# Allegro board RK_NVR_DEMO1_RK3588_LP4XD200P232SD8_V21_20211228_final_lint.brd (continued)
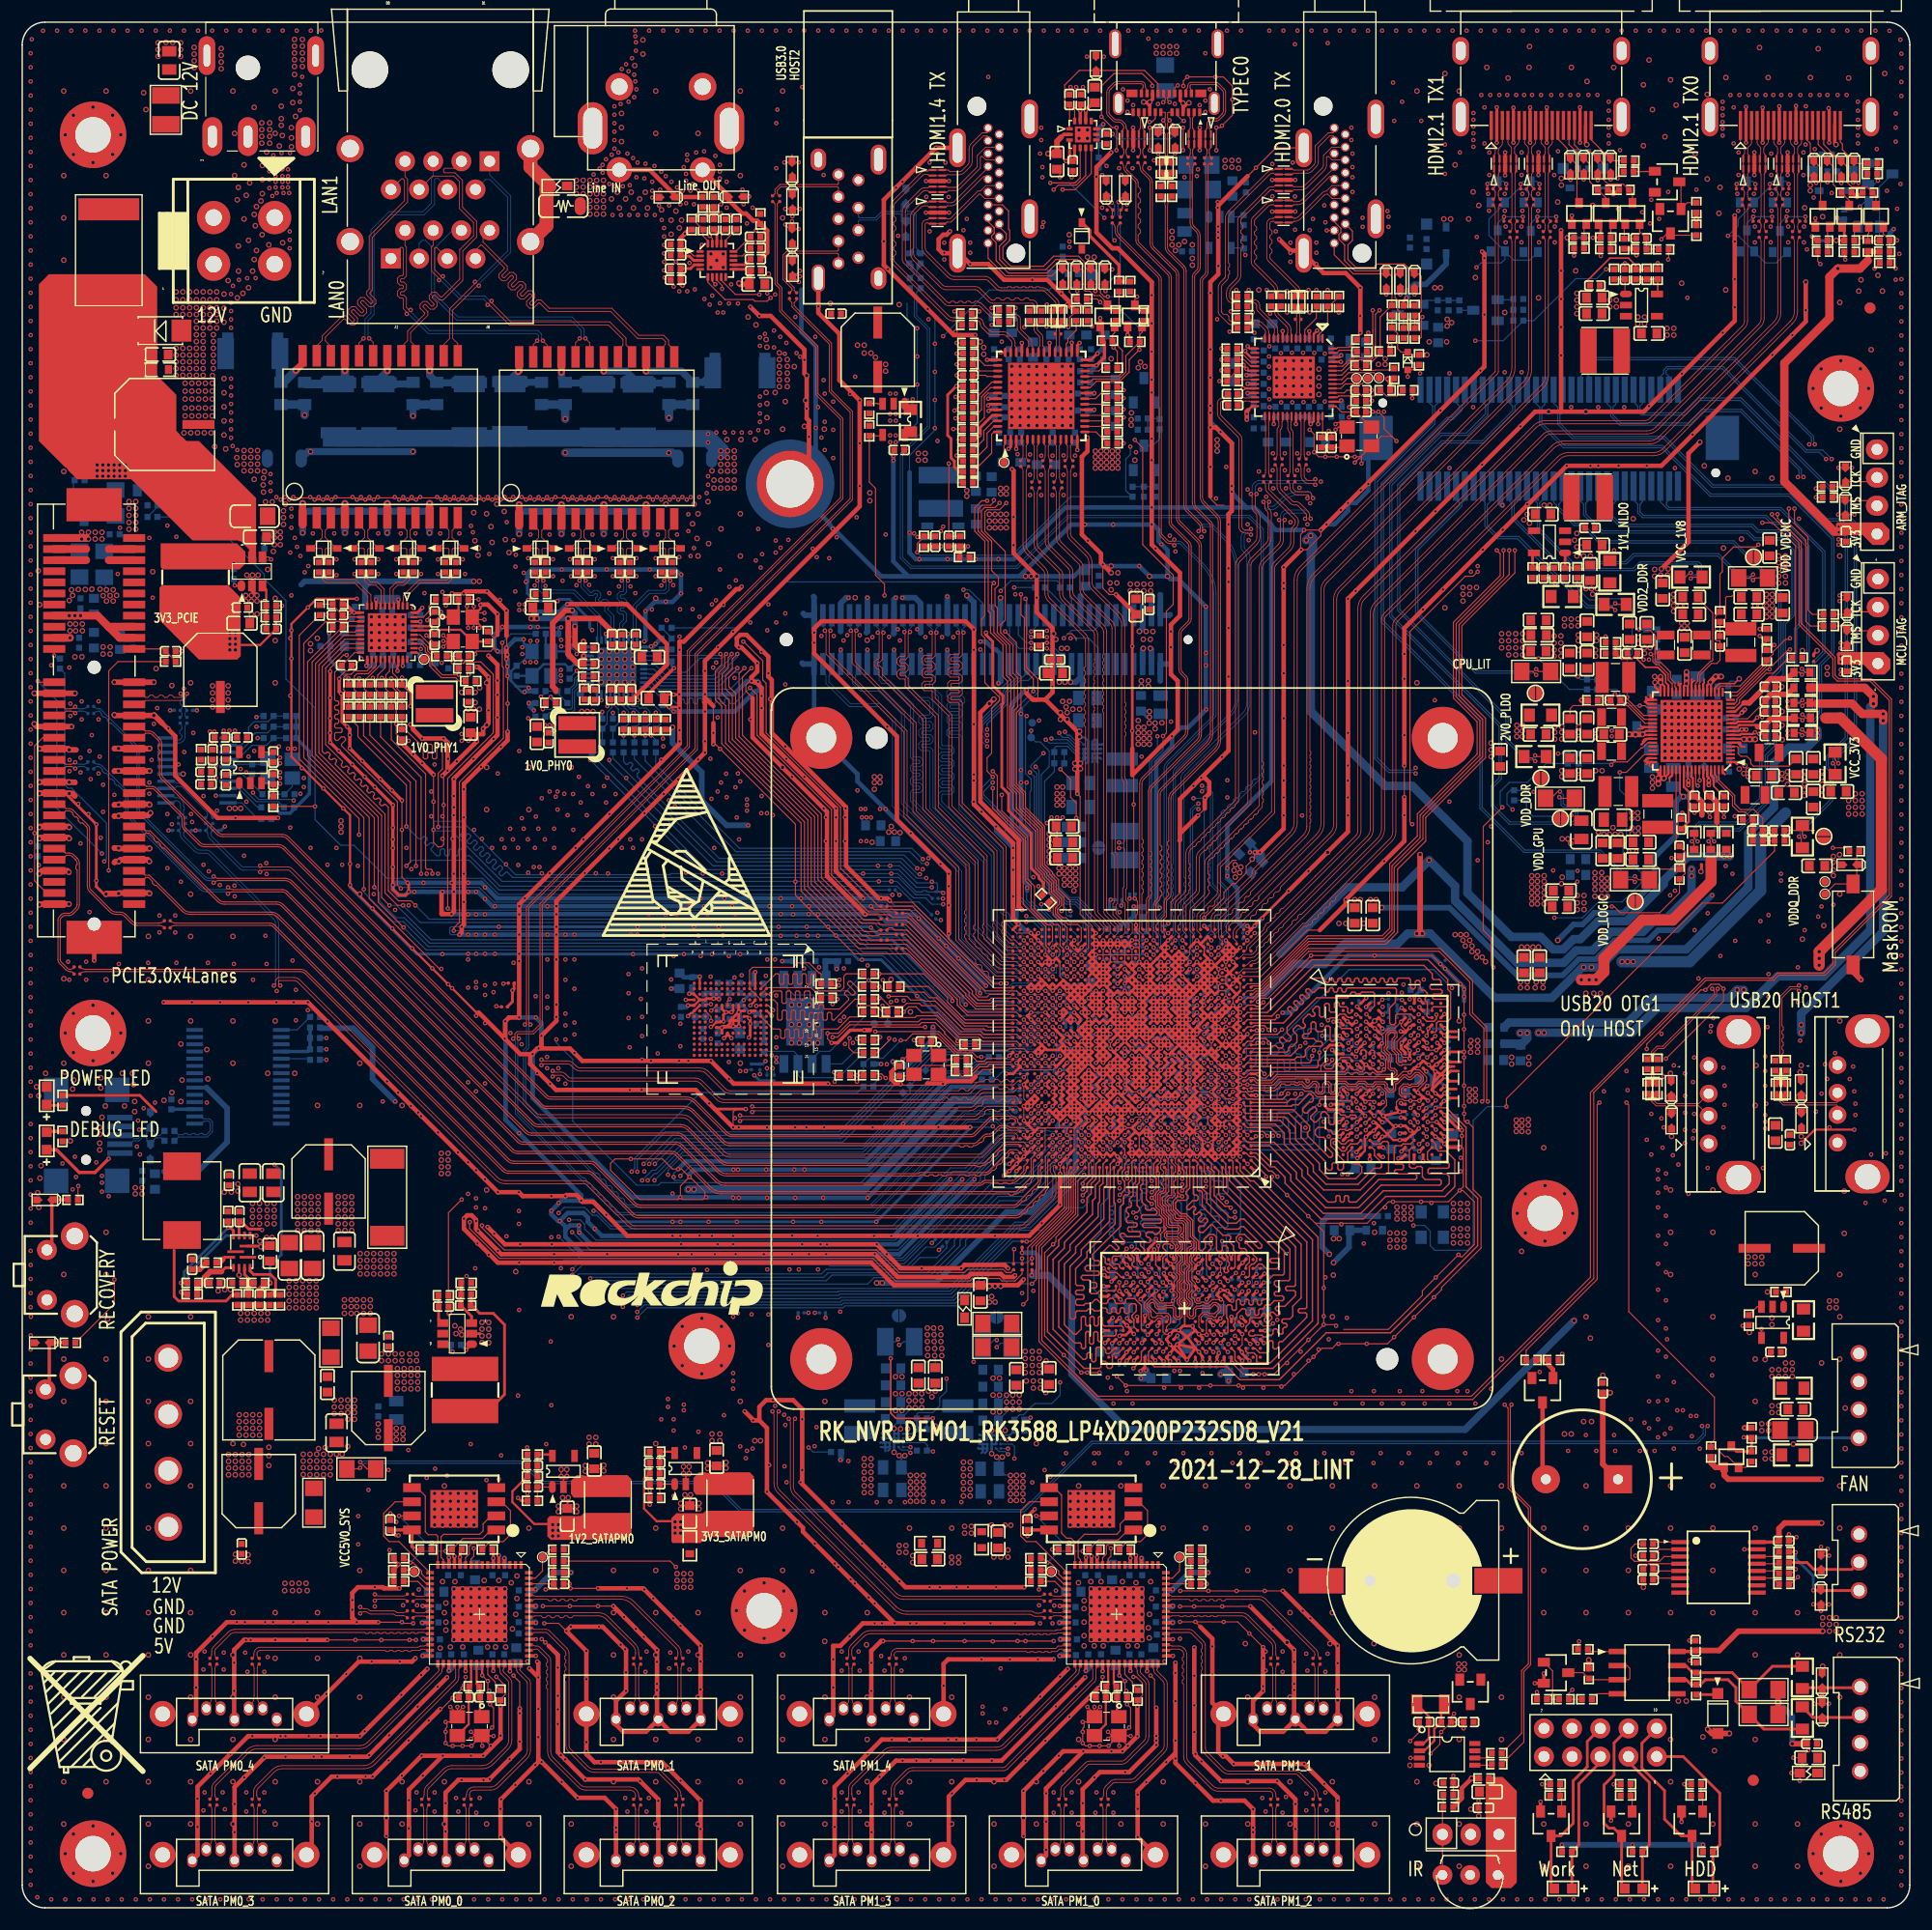
[diagram p0: board, top side]
## Placement (name value [footprint] x y rotation side)
BP7000  BEEP  [BEEP_650]  143.79 38.63 180 top
C1000  22uF  [C0603]  110.13 95.5 45 bottom
C1001  100nF  [C0201]  102.08 82.67 90 bottom
C1002  100nF  [C0201]  103.05 82.67 90 bottom
C1003  22uF  [C0603]  138.66 91.69 0 bottom
C1004  10uF  [C0402_BGA]  103.57 80.86 0 bottom
C1005  10uF  [C0402_BGA]  101.19 79.75 270 bottom
C1006  1uF  [C0201]  101.3 81.02 180 bottom
C1007  4.7uF  [C0402_BGA]  101.27 82.26 90 bottom
C1010  100nF  [C0201]  99.35 75.28 180 bottom
C1013  1uF  [C0201]  100.39 77.44 90 bottom
C1014  1uF  [C0201]  101.31 75.29 0 bottom
C1015  4.7uF  [C0402_BGA]  99.91 73.91 270 bottom
C1016  10uF  [C0402_BGA]  101.19 77.12 90 bottom
C1017  10uF  [C0402_BGA]  98.09 75.19 90 bottom
C1018  22uF  [C0603]  92.5 47.87 270 bottom
C1019  22uF  [C0603]  89.58 47.79 270 top
C1020  1uF  [C0201]  103.91 82.44 0 bottom
C1022  100nF  [C0201]  101.31 75.91 0 bottom
C1023  1uF  [C0201]  99.35 75.91 180 bottom
C1024  100nF  [C0201]  95.25 72.26 270 bottom
C1025  100nF  [C0201]  95.44 74.62 180 bottom
C1027  1uF  [C0201]  95.44 74.01 180 bottom
C1028  1uF  [C0201]  95.44 75.23 180 bottom
C1029  4.7uF  [C0402_BGA]  96.82 74.54 90 bottom
C1030  10uF  [C0402_BGA]  96.36 72.25 0 bottom
C1031  10uF  [C0402_BGA]  95.78 76.37 45 bottom
C1032  22uF  [C0603]  82.27 48 270 top
C1033  22uF  [C0603]  82.27 48 270 bottom
C1034  22uF  [C0603]  140.18 93.11 180 bottom
C1035  22uF  [C0603]  140.18 94.53 180 bottom
C1036  10uF  [C0402_BGA]  100 79.75 270 bottom
C1037  10uF  [C0402_BGA]  98.37 82.52 180 bottom
C1038  4.7uF  [C0402_BGA]  97.99 72.26 180 bottom
C1039  1uF  [C0201]  99.11 72.94 90 bottom
C1040  100nF  [C0201]  100.02 82.4 0 bottom
C1041  100nF  [C0201]  100.01 83.02 0 bottom
C1042  1uF  [C0201]  99.97 78.5 180 bottom
C1043  10uF  [C0402_BGA]  104.26 78.68 0 bottom
C1045  22uF  [C0603]  136.73 84.98 90 top
C1046  22uF  [C0603]  135.3 84.98 90 top
C1047  10uF  [C0402_BGA]  104.17 77.49 0 bottom
C1048  1uF  [C0201]  101.92 78.76 90 bottom
C1049  100nF  [C0201]  103.14 78.76 90 bottom
C1050  100nF  [C0201]  102.53 78.76 90 bottom
C1051  1uF  [C0201]  98.05 73.81 0 bottom
C1052  1uF  [C0201]  102.18 76.17 270 bottom
C1054  100nF  [C0201]  97.41 78.35 0 bottom
C1057  4.7uF  [C0402_BGA]  95.81 78.64 180 bottom
C1058  10uF  [C0402_BGA]  97.15 80.13 180 bottom
C1059  10uF  [C0402_BGA]  97.48 76.83 0 bottom
C1060  22uF  [C0603]  76.68 97.58 180 bottom
C1061  22uF  [C0603]  78 96.16 180 bottom
C1062  22uF  [C0603]  93.95 94.63 180 top
C1063  22uF  [C0603]  93.85 97.48 180 top
C1064  22uF  [C0603]  96.27 84.16 90 bottom
C1065  10uF  [C0402_BGA]  94.77 83.18 180 bottom
C1066  1uF  [C0201]  98.05 80.95 0 bottom
C1069  100nF  [C0201]  95.46 81.78 180 bottom
C1070  100nF  [C0201]  97.41 77.73 0 bottom
C1071  1uF  [C0201]  98.27 80.05 90 bottom
C1072  1uF  [C0201]  96.09 82.42 180 bottom
C1073  100nF  [C0201]  96.09 81.15 180 bottom
C1080  22uF  [C0603]  92.53 47.87 270 top
C1081  22uF  [C0603]  80.74 48 270 top
C1082  22uF  [C0603]  136.62 116.07 0 top
C1083  100nF  [C0201]  98.04 73.19 0 bottom
C1085  22uF  [C0603]  111.22 93.82 45 bottom
C1086  22uF  [C0603]  93.95 96.05 180 top
C1100  100nF  [C0201]  89.84 73.91 90 bottom
C1101  18pF  [C0402]  81.46 78.1 180 top
C1102  18pF  [C0402]  79.04 75.43 90 top
C1103  1uF  [C0201]  94.16 73.78 0 bottom
C1104  100nF  [C0201]  151.56 94.02 180 top
C1105  1uF  [C0201]  161.41 112.62 90 top
C1106  100nF  [C0201]  98.75 78.63 135 bottom
C1107  100nF  [C0201]  91.96 75.54 135 bottom
C1109  100nF  [C0201]  98.85 76.95 225 bottom
C1110  100nF  [C0201]  93.32 76.27 135 bottom
C1111  1uF  [C0201]  92.81 75.57 135 bottom
C1112  100nF  [C0201]  94.64 76.65 45 bottom
C1113  100nF  [C0201]  94.15 75.51 0 bottom
C1200  10uF  [C0402_BGA]  107.09 76.77 0 bottom
C1201  1uF  [C0201]  103.02 71.62 270 bottom
C1202  1uF  [C0201]  104.24 71.62 270 bottom
C1203  100nF  [C0201]  104.87 71.62 270 bottom
C1204  100nF  [C0201]  103.63 71.62 270 bottom
C1205  100nF  [C0201]  105.84 72.53 0 bottom
C1206  1uF  [C0201]  104.98 72.86 90 bottom
C1207  10uF  [C0402_BGA]  106.13 73.47 0 bottom
C1208  1uF  [C0201]  105.84 75.26 0 bottom
C1209  1uF  [C0201]  105.59 70.98 270 bottom
C1210  100nF  [C0201]  105.84 75.86 0 bottom
C1211  100nF  [C0201]  106.19 70.97 270 bottom
C1212  100nF  [C0201]  105.83 71.93 0 bottom
C1213  1uF  [C0201]  101.95 73.81 180 bottom
C1214  1uF  [C0201]  100 72.03 180 bottom
C1215  1uF  [C0201]  101.04 73.54 90 bottom
C1216  1uF  [C0201]  105.87 74.6 180 bottom
C1217  1uF  [C0201]  102.61 74.49 180 bottom
C1218  1uF  [C0201]  103.92 74.61 0 bottom
C1219  1uF  [C0201]  103.25 70.73 0 bottom
C1220  10uF  [C0402_BGA]  103.91 75.8 270 bottom
C1221  4.7uF  [C0402_BGA]  101.9 71.49 270 bottom
C1223  100nF  [C0201]  103.02 76.17 90 bottom
C1224  1uF  [C0201]  101.95 72.61 180 bottom
C1225  100nF  [C0201]  102.61 75.1 180 bottom
C1226  10uF  [C0402_BGA]  105.56 77.16 90 bottom
C1227  4.7uF  [C0402_BGA]  103.62 73.56 0 bottom
C1228  1uF  [C0201]  100 72.67 180 bottom
C1229  100nF  [C0201]  104.66 76.16 270 bottom
C1231  100nF  [C0201]  101.95 73.21 180 bottom
C1232  10uF  [C0603]  118.92 61.08 180 bottom
C1300  1uF  [C0402_BGA]  93.72 77.28 315 bottom
C1301  100nF  [C0201]  107.15 79.41 0 bottom
C1302  100nF  [C0201]  107.15 78.76 0 bottom
C1404  100nF  [C0201]  101.95 85.5 180 bottom
C1405  1uF  [C0201]  101.95 84.9 180 bottom
C1406  100nF  [C0201]  101.95 83.69 180 bottom
C1407  1uF  [C0201]  101.95 84.29 180 bottom
C1408  100nF  [C0201]  111.86 128.8 90 top
C1409  100nF  [C0201]  112.49 128.8 90 top
C1410  100nF  [C0201]  112.89 130.34 90 top
C1411  100nF  [C0201]  113.52 130.34 90 top
C1412  100nF  [C0201]  105.06 83.97 270 bottom
C1413  100nF  [C0201]  114.05 128.83 90 top
C1414  100nF  [C0201]  114.68 128.83 90 top
C1415  100nF  [C0201]  115.05 130.34 90 top
C1416  100nF  [C0201]  115.69 130.34 90 top
C1417  1uF  [C0201]  105.2 83.09 0 bottom
C1418  100nF  [C0201]  103.91 83.09 180 bottom
C1419  100nF  [C0201]  103.91 85.6 0 bottom
C1420  1uF  [C0201]  103.91 84.98 0 bottom
C1421  100nF  [C0201]  105.01 85.91 90 bottom
C1422  100nF  [C0201]  103.91 84.32 0 bottom
C1423  1uF  [C0201]  103.88 83.72 0 bottom
C1500  1nF  [C0201]  100.65 87.24 180 bottom
C1501  1nF  [C0201]  100.65 86.61 180 bottom
C1502  1nF  [C0201]  100.65 86 180 bottom
C1503  100nF  [C0201]  98.22 85.46 180 bottom
C1504  100nF  [C0201]  110.16 81.78 270 bottom
C1505  100nF  [C0201]  98.7 70.31 0 bottom
C1506  100nF  [C0201]  94.28 79.39 180 bottom
C1600  1uF  [C0201]  94.14 80.66 180 bottom
C1601  100nF  [C0201]  95.26 80.26 315 bottom
C1602  1uF  [C0201]  94.14 80.02 180 bottom
C1603  100nF  [C0201]  95.43 79.39 0 bottom
C1604  1uF  [C0201]  128.39 85.59 225 bottom
C1606  100nF  [C0201]  98.05 83.53 180 bottom
C1607  1uF  [C0201]  98.22 90.16 180 bottom
C1608  100nF  [C0201]  98.05 84.17 180 bottom
C1609  1uF  [C0201]  100.05 91.38 0 bottom
C1610  100nF  [C0201]  98.05 84.8 180 bottom
C1611  1uF  [C0201]  98.83 90.87 180 bottom
C1700  220nF  [C0201]  158.01 153.76 90 top
C1701  220nF  [C0201]  158.64 153.76 90 top
C1702  220nF  [C0201]  156.5 150.84 90 top
C1703  220nF  [C0201]  157.13 150.84 90 top
C1704  220nF  [C0201]  155 153.76 90 top
C1705  220nF  [C0201]  155.63 153.76 90 top
C1706  220nF  [C0201]  159.51 150.84 90 top
C1707  220nF  [C0201]  160.14 150.84 90 top
C1709  4.7uF  [C0402_BGA]  105.53 79.57 180 bottom
C1710  4.7uF  [C0603]  120.06 89.45 90 top
C1711  1uF  [C0201]  105.2 80.71 180 bottom
C1713  1uF  [C0201]  108.44 81.57 0 bottom
C1714  100nF  [C0201]  106.88 80.73 270 bottom
C1715  4.7uF  [C0402_BGA]  108.1 80.76 0 bottom
C1716  220nF  [C0201]  135.55 153.76 90 top
C1717  220nF  [C0201]  136.18 153.76 90 top
C1718  220nF  [C0201]  134.05 150.84 90 top
C1719  220nF  [C0201]  134.68 150.84 90 top
C1720  220nF  [C0201]  132.55 153.76 90 top
C1721  220nF  [C0201]  133.18 153.76 90 top
C1722  220nF  [C0201]  137.05 150.84 90 top
C1723  220nF  [C0201]  137.68 150.84 90 top
C1724  100nF  [C0201]  105.2 81.34 180 bottom
C1725  1uF  [C0201]  105.2 81.96 180 bottom
C1726  4.7uF  [C0603]  121.69 89.45 90 top
C1727  1uF  [C0201]  106.24 80.74 90 bottom
C1729  1uF  [C0201]  106.72 82.51 180 bottom
C1730  100nF  [C0201]  107.68 82.66 90 bottom
C1731  4.7uF  [C0402_BGA]  108.54 83.15 90 bottom
C1801  10uF  [C0402_BGA]  89.48 72.28 270 bottom
C1803  4.7uF  [C0402_BGA]  94.05 72.89 0 bottom
C1804  1uF  [C0201]  94.8 69.34 180 bottom
C1805  4.7uF  [C0402_BGA]  94.58 67.52 225 bottom
C1806  1uF  [C0201]  99.54 88.18 270 bottom
C1807  4.7uF  [C0402_BGA]  97.08 69.72 0 bottom
C1808  100nF  [C0201]  90.57 72.84 270 bottom
C1810  100nF  [C0201]  94.15 72.03 0 bottom
C1812  1uF  [C0201]  95.49 71.01 135 bottom
C1813  4.7uF  [C0402_BGA]  94.52 70.27 180 bottom
C1814  100nF  [C0201]  96.75 70.55 0 bottom
C1815  4.7uF  [C0402_BGA]  99.72 85.16 0 bottom
C1816  1uF  [C0201]  92.58 71.65 270 bottom
C1819  4.7uF  [C0402_BGA]  93.29 70.93 270 bottom
C1901  100nF  [C0201]  93.37 78.88 135 bottom
C1902  100nF  [C0201]  94.59 82.02 90 bottom
C1903  100nF  [C0201]  98.7 70.96 0 bottom
C1905  100nF  [C0201]  93.97 82.02 90 bottom
C2000  100uF  [E_E7]  12.83 133.72 0 top
C2001  100nF  [C0603]  12.45 140.02 0 top
C2002  120uF  [E_C6]  21.31 37.56 0 top
C2003  100nF  [C0402]  19.78 32.35 270 top
C2004  2.2uF  [C0805]  13.25 166.54 90 top
C2005  100uF  [E_E7]  22.22 46.68 270 top
C2006  100nF  [C0603]  27.51 47.19 270 top
C2007  10uF  [C1206]  24.07 58.8 90 top
C2008  220nF  [C0402]  15.31 58.01 90 top
C2009  10uF  [C1206]  26.16 58.8 90 top
C2010  100nF  [C0603]  22.32 59 90 top
C2011  120uF  [E_C6]  27.61 65.47 180 top
C2012  22uF  [C0805]  22.62 65.36 270 top
C2013  22uF  [C0805]  20.51 65.36 270 top
C2014  100nF  [C0402]  18.63 65.58 270 top
C2015  22uF  [C0805]  29.04 59.19 90 top
C2017  100nF  [C0402]  19.58 62.32 90 top
C2019  1uF  [C0402]  17.35 56.33 0 top
C2020  10uF  [C0603]  137.03 125.62 0 top
C2021  100pF  [C0402]  137.07 120.34 90 top
C2022  22uF  [C0603]  141.66 122.85 180 top
C2023  100nF  [C0402]  141.26 124.39 180 top
C2024  10uF  [C0603]  141.28 120.34 90 top
C2025  100nF  [C0402]  139.02 120.34 270 top
C2026  DNP  [C0402]  21.41 54.81 90 top
C2027  10uF  [C1206]  31.16 51.35 270 top
C2028  100nF  [C0402]  32.99 51.05 270 top
C2029  100nF  [C0402]  39.09 50.74 180 bottom
C2030  100nF  [C0402]  37.97 54.2 0 top
C2031  22pF  [C0402]  40 55.31 180 top
C2032  120uF  [E_C6]  32.99 45.05 0 top
C2033  22uF  [C0805]  33.7 44.85 90 bottom
C2034  100nF  [C0402]  32.08 44.75 90 bottom
C2035  22uF  [C0805]  28.32 42.82 90 top
C2100  22uF  [C0603]  140.99 115.27 270 top
C2101  100pF  [C0402]  146.35 114.79 270 bottom
C2102  22uF  [C0603]  138.66 91.69 0 top
C2103  10uF  [C0603]  146.17 106.52 0 bottom
C2104  10uF  [C0603]  143.2 105.78 180 top
C2105  22uF  [C0805]  150.93 110.17 270 bottom
C2106  22uF  [C0603]  146.38 115.03 270 top
C2107  10uF  [C0603]  144.83 115.03 270 top
C2108  1uF  [C0402]  134.43 100.29 90 bottom
C2109  47uF  [C0805]  143.33 98.09 0 top
C2110  47uF  [C0805]  140.49 97.17 270 top
C2111  22uF  [C0603]  138.55 90.26 0 top
C2114  22uF  [C0805]  147.04 108.86 270 bottom
C2115  22uF  [C0603]  133.17 103.57 90 top
C2116  22uF  [C0603]  139.47 102.94 270 top
C2117  10uF  [C0603]  140.99 102.94 270 top
C2118  1uF  [C0402]  140.24 103.6 270 bottom
C2119  1uF  [C0402]  140.99 110.28 270 bottom
C2120  22uF  [C0603]  139.44 112.41 90 top
C2121  22uF  [C0603]  140.99 112.41 90 top
C2122  22uF  [C0603]  136.61 113.26 0 top
C2123  22uF  [C0603]  136.63 114.72 0 top
C2126  10uF  [C0603]  149.78 113.83 90 top
C2127  22uF  [C0805]  148.77 101.9 90 bottom
C2128  22uF  [C0603]  161.72 93.92 0 top
C2129  22uF  [C0603]  158.98 100.53 0 top
C2130  10uF  [C0603]  161.39 99.92 90 top
C2131  1uF  [C0402]  158.34 97.12 180 top
C2132  1uF  [C0402]  149.32 95.24 90 top
C2133  22uF  [C0603]  145.84 96.05 180 top
C2134  22uF  [C0603]  145.84 94.51 180 top
C2135  22uF  [C0603]  143.75 95.29 90 top
C2136  22uF  [C0603]  142.42 95.29 90 top
C2137  100pF  [C0402]  156.39 97.12 180 top
C2138  10uF  [C0603]  154.35 104.51 180 bottom
C2139  22uF  [C0805]  146.78 103.6 90 bottom
C2140  10uF  [C0603]  163.65 100.63 180 top
C2141  22uF  [C0603]  161.39 102.86 270 top
C2142  10uF  [C0603]  159.84 102.86 270 top
C2143  1uF  [C0402]  152.97 114.19 270 top
C2144  22uF  [C0603]  155.6 116.6 0 top
C2145  22uF  [C0603]  155.6 118.15 0 top
C2146  22uF  [C0603]  158.62 117.41 270 top
C2147  10uF  [C0603]  149.07 110.05 270 bottom
C2148  10uF  [C0603]  156.94 102.05 0 top
C2149  10uF  [C0603]  147.82 118.72 270 top
C2150  22uF  [C0603]  150.32 116.6 180 top
C2151  10uF  [C0603]  150.32 118.15 180 top
C2152  22uF  [C0603]  139.47 106.49 270 top
C2153  10uF  [C0603]  140.99 106.49 270 top
C2154  10uF  [C0603]  136.61 105.78 0 top
C2155  1uF  [C0402]  150.68 99.74 270 top
C2156  1uF  [C0402]  150.14 102.61 90 bottom
C2157  1uF  [C0402]  149.49 97.71 90 top
C2158  1uF  [C0402]  153.72 109.67 270 bottom
C2159  1uF  [C0402]  150.65 99.71 270 bottom
C2160  1uF  [C0402]  152.02 99.74 270 top
C2161  1uF  [C0402]  153.79 102.86 90 bottom
C2162  1uF  [C0402]  152.75 109.64 270 bottom
C2163  1uF  [C0402]  153.33 99.74 270 top
C2164  2.2uF  [C0402]  157.52 110.08 0 top
C2165  1nF  [C0402]  145.08 113.07 180 top
C2166  10nF  [C0402]  143.56 108.86 180 top
C2167  1uF  [C0402]  153.95 107.23 180 bottom
C2168  2.2uF  [C0402]  157.52 108.75 0 top
C2169  2.2uF  [C0402]  157.52 107.84 0 top
C2170  2.2uF  [C0402]  157.52 106.55 0 top
C2171  1uF  [C0402]  153.95 106.21 180 bottom
C2172  2.2uF  [C0402]  157.52 105.63 0 top
C2173  22uF  [C0603]  157.45 122.57 90 top
C2200  22uF  [C0805]  87.18 39.57 0 bottom
C2201  22uF  [C0805]  87.18 37.54 0 bottom
C2202  22uF  [C0805]  78.39 39.7 0 bottom
C2203  22uF  [C0805]  78.4 37.67 0 bottom
C2204  1uF  [C0402]  89.85 43.01 180 bottom
C2205  22uF  [C0603]  87.25 43.93 0 bottom
C2206  22uF  [C0603]  87.25 46.98 0 bottom
C2207  22uF  [C0603]  87.25 48.5 0 bottom
C2208  22uF  [C0603]  87.25 45.45 0 bottom
C2209  22uF  [C0603]  89.56 47.85 270 bottom
C2210  1uF  [C0402]  81.06 43.14 180 bottom
C2211  22uF  [C0603]  78.46 44.06 0 bottom
C2212  22uF  [C0603]  78.46 47.11 0 bottom
C2213  22uF  [C0603]  78.46 48.63 0 bottom
C2214  22uF  [C0603]  78.46 45.58 0 bottom
C2215  22uF  [C0603]  80.77 47.98 270 bottom
C2218  22uF  [C0805]  95.98 109.06 180 bottom
C2219  22uF  [C0805]  95.98 107.03 180 bottom
C2220  1uF  [C0402]  93.44 104.18 180 bottom
C2221  47uF  [C0805]  95.37 99.23 180 bottom
C2222  47uF  [C0805]  95.37 101.39 180 bottom
C2223  22uF  [C0603]  94.77 97.45 180 bottom
C2224  22uF  [C0603]  94.77 96.05 180 bottom
C2225  22uF  [C0603]  94.77 94.63 180 bottom
C2227  12pF  [C0402]  126.29 16.75 180 top
C2228  100nF  [C0402]  130.32 16.75 180 top
C2229  DNP  [C0402]  128.31 16.75 0 top
C2230  22uF  [C0603]  86.33 55.41 90 top
C2501  100nF  [C0201]  105.03 157.47 90 top
C2502  100nF  [C0201]  105.66 157.47 90 top
C2503  1uF  [C0402]  104.95 149.32 180 bottom
C2504  22uF  [C1206]  106.01 157.12 180 bottom
C2505  100nF  [C0603]  109.04 154.98 270 bottom
C2506  1uF  [C0402]  79.02 131.41 180 top
C2507  120uF  [E_C6]  77.09 140.45 180 top
C2508  100nF  [C0402]  73.33 143.71 180 top
C2509  100nF  [C0201]  69.14 145.33 90 top
C2510  100nF  [C0201]  69.77 145.33 90 top
C2511  1uF  [C0402]  158.01 50.11 180 top
C2512  120uF  [E_C6]  158.54 59.45 90 top
C2513  100nF  [C0402]  159.28 69.23 90 top
C2515  10uF  [C0603]  157.96 69.84 90 top
C2516  100nF  [C0603]  93.24 157.42 270 top
C2517  10uF  [C0603]  96.64 163.42 90 top
C2518  100nF  [C0402]  95.37 163.01 90 top
C2519  1uF  [C0402]  94.66 157.01 270 top
C2520  220pF  [C0402]  94.36 163.01 90 top
C2521  220pF  [C0402]  97.71 159.45 270 top
C2522  100nF  [C0201]  98.93 152.14 90 top
C2523  100nF  [C0201]  98.22 152.14 90 top
C2524  100nF  [C0201]  99.03 157.57 90 top
C2525  100nF  [C0201]  99.67 157.57 90 top
C2526  10uF  [C0805]  104.72 151.93 270 bottom
C2528  22uF  [C1206]  102.99 164.94 90 bottom
C3800  10uF  [C0603]  128.95 70.48 270 bottom
C3801  10uF  [C0603]  132.8 76.42 0 bottom
C3802  100nF  [C0201]  128.57 78.35 90 bottom
C3803  100nF  [C0201]  122.38 71.8 0 bottom
C3804  100nF  [C0201]  121.97 77.54 0 bottom
C3805  100nF  [C0201]  125.17 77.68 180 bottom
C3806  100nF  [C0201]  118.03 70.86 180 bottom
C3807  100nF  [C0201]  125.04 71.51 180 bottom
C3808  100nF  [C0201]  117.9 78.61 180 bottom
C3809  22uF  [C0603]  123.95 73.47 0 bottom
C3810  10uF  [C0603]  120.83 66.67 180 bottom
C3811  10uF  [C0603]  126.54 74.64 180 bottom
C3812  1uF  [C0402]  123.75 76.45 0 bottom
C3813  1uF  [C0402]  125.55 82.75 180 bottom
C3814  100nF  [C0201]  119.11 72.95 180 bottom
C3815  100nF  [C0201]  128.57 77.21 270 bottom
C3816  100nF  [C0201]  123.37 71.49 90 bottom
C3817  100nF  [C0201]  120.57 75.58 0 bottom
C3818  100nF  [C0201]  128.6 76.07 90 bottom
C3819  100nF  [C0201]  124.61 78.63 90 bottom
C3820  100nF  [C0201]  125.65 67.68 0 bottom
C3821  100nF  [C0201]  121.59 81.4 90 bottom
C3822  100nF  [C0201]  119.17 75.58 0 bottom
C3823  100nF  [C0201]  128.57 73.14 90 bottom
C3824  22uF  [C0603]  123.37 78.48 270 bottom
C3825  10uF  [C0603]  127.38 68.07 270 bottom
C3826  10uF  [C0603]  123.37 69.08 90 bottom
C3827  1uF  [C0402]  126.57 81.22 90 bottom
C3828  1uF  [C0402]  121.38 68.91 180 bottom
C3829  100nF  [C0201]  120.44 82.03 90 bottom
C3830  100nF  [C0201]  127.43 79.24 180 bottom
C3831  100nF  [C0201]  125.27 69.13 90 bottom
C3832  100nF  [C0201]  119.05 79.49 0 bottom
C3833  100nF  [C0201]  124.78 68.04 270 bottom
C3834  100nF  [C0201]  126.9 72 90 bottom
C3835  100nF  [C0201]  124.76 80.38 180 bottom
C3836  100nF  [C0201]  124.64 69.56 270 bottom
C3837  100nF  [C0201]  119.81 67.94 270 bottom
C3838  100nF  [C0201]  123.11 80.51 270 bottom
C3839  100nF  [C0201]  119.56 70.35 180 bottom
C3840  100nF  [C0201]  118.03 69.97 180 bottom
C3841  100nF  [C0201]  123.87 80.51 270 bottom
C3842  100nF  [C0201]  122.4 78.58 270 bottom
C3843  10uF  [C0603]  135 77.06 270 bottom
C3844  1nF  [C0201]  127.81 72.03 270 bottom
C3845  10uF  [C0603]  102.41 47.74 0 bottom
C3846  10uF  [C0603]  109.4 48.25 0 bottom
C3847  100nF  [C0201]  108.15 59.43 90 bottom
C3848  100nF  [C0201]  108.53 49.62 0 bottom
C3849  100nF  [C0201]  100.99 52.32 90 bottom
C3850  100nF  [C0201]  108.5 52.03 90 bottom
C3851  100nF  [C0201]  107.49 55.24 45 bottom
C3852  100nF  [C0201]  101.78 55.19 0 bottom
C3853  100nF  [C0201]  101.65 59.89 270 bottom
C3854  22uF  [C0603]  107.36 53.97 0 bottom
C3855  10uF  [C0603]  102.03 54.09 0 bottom
C3856  10uF  [C0603]  104.95 51.05 90 bottom
C3857  1uF  [C0402]  103.3 52.98 0 bottom
C3858  1uF  [C0402]  98.09 52.19 90 bottom
C3859  100nF  [C0201]  106.04 48.76 0 bottom
C3860  100nF  [C0201]  97.71 55.36 270 bottom
C3861  100nF  [C0201]  107.24 52.98 0 bottom
C3862  100nF  [C0201]  107.31 48.76 0 bottom
C3863  100nF  [C0201]  105.46 57.14 90 bottom
C3864  100nF  [C0201]  103.43 55.11 0 bottom
C3865  100nF  [C0201]  112.4 56.66 90 bottom
C3866  100nF  [C0201]  108.89 55.14 180 bottom
C3867  100nF  [C0201]  112.45 51.83 270 bottom
C3868  100nF  [C0201]  103.1 48.84 0 bottom
C3869  22uF  [C0603]  111.43 53.71 0 bottom
C3870  10uF  [C0603]  97.81 50.13 180 bottom
C3871  10uF  [C0603]  98.98 54.09 180 bottom
C3872  1uF  [C0402]  98.22 57.65 90 bottom
C3873  1uF  [C0402]  110.54 54.86 180 bottom
C3874  100nF  [C0201]  100 55.11 0 bottom
C3875  100nF  [C0201]  107.9 50.51 180 bottom
C3876  100nF  [C0201]  99.01 58.41 270 bottom
C3877  100nF  [C0201]  98.98 52.32 270 bottom
C3878  100nF  [C0201]  109.29 56.63 0 bottom
C3879  100nF  [C0201]  100.68 51.35 180 bottom
C3880  100nF  [C0201]  109.4 52.82 90 bottom
C3881  100nF  [C0201]  99.1 48.91 180 bottom
C3882  100nF  [C0201]  111.46 51.32 0 bottom
C3883  100nF  [C0201]  110.41 50.16 90 bottom
C3884  100nF  [C0201]  110.31 58.79 270 bottom
C3885  100nF  [C0201]  100 52.57 270 bottom
C3886  100nF  [C0201]  98.35 55.36 90 bottom
C3887  100nF  [C0201]  111.55 57.65 0 bottom
C3888  1nF  [C0201]  101.52 49.78 0 bottom
C4000  100nF  [C0402]  60.37 83.43 90 bottom
C4001  100nF  [C0402]  59.36 80.76 270 bottom
C4002  100nF  [C0402]  66.14 80.13 270 bottom
C4003  100nF  [C0402]  62.66 82.92 90 bottom
C4004  4.7uF  [C0603]  59.23 83.56 90 bottom
C4005  100nF  [C0402]  62.66 78.38 270 bottom
C4006  100nF  [C0402]  64.18 80.13 180 bottom
C4007  4.7uF  [C0603]  64.67 78.1 270 bottom
C4008  2.2uF  [C0402]  66.34 83.3 0 bottom
C4009  100nF  [C0402]  62.66 80.51 270 bottom
C4010  10pF  [C0402]  61.34 78.78 270 bottom
C4300  100nF  [C0402]  73.96 85.34 0 bottom
C4301  1uF  [C0402]  71.93 85.34 180 bottom
C4700  10uF  [C0603]  100.35 117.29 270 top
C4701  100nF  [C0402]  101.57 117.49 270 top
C4702  10uF  [C0805]  102.58 108.45 270 bottom
C4703  100nF  [C0603]  100.8 108.58 270 bottom
C4704  10uF  [C0603]  95.78 119.83 90 bottom
C4705  100nF  [C0402]  97 119.63 90 bottom
C4706  10uF  [C0603]  93.04 111.29 180 top
C4707  100nF  [C0402]  93.04 112.51 180 top
C5000  1uF  [C0402]  162.59 158.06 180 bottom
C5001  1uF  [C0402]  140.65 158.31 180 bottom
C5003  100pF  [C0402]  167.82 150.31 0 top
C5005  100pF  [C0402]  145.87 150.51 0 top
C5100  100nF  [C0402]  109.05 136.47 0 top
C5101  100nF  [C0402]  109.08 135.45 0 top
C5102  1uF  [C0402]  125.04 150.11 90 bottom
C5103  0.5pF  [C0201]  114.97 143.2 0 top
C5104  18pF  [C0402]  117.99 132.09 90 top
C5105  18pF  [C0402]  120.63 134.84 0 top
C5106  100nF  [C0402]  120.63 136.81 0 top
C5107  10uF  [C0603]  127.58 141.77 270 bottom
C5108  100nF  [C0402]  127.54 144.45 90 bottom
C5109  10uF  [C0603]  121.08 140.45 90 bottom
C5110  1uF  [C0402]  116.91 141.02 270 bottom
C5111  100nF  [C0402]  117.91 141.02 270 bottom
C5112  100nF  [C0402]  111.41 137.37 0 bottom
C5113  100nF  [C0402]  111.41 139.38 0 bottom
C5114  100nF  [C0402]  134.8 145.03 0 bottom
C5115  1uF  [C0402]  109.7 135.89 270 bottom
C5116  100nF  [C0402]  108.69 135.89 270 bottom
C5117  100nF  [C0402]  114.93 134.86 90 bottom
C5118  100nF  [C0402]  115.93 134.86 90 bottom
C5119  10uF  [C0603]  146.59 141.92 180 top
C5120  100pF  [C0402]  145.4 147.25 270 top
C5121  22uF  [C0603]  141.64 145.14 0 top
C5122  10uF  [C0603]  141.64 143.72 0 top
C5123  100nF  [C0402]  141.7 146.25 0 top
C5124  100nF  [C0402]  111.41 138.38 0 bottom
C5125  100nF  [C0402]  118.9 134.86 270 bottom
C5126  100nF  [C0402]  117.52 139.56 180 bottom
C5127  10uF  [C0603]  116.71 132.12 0 bottom
C5128  100nF  [C0402]  113.93 134.86 90 bottom
C5129  100nF  [C0402]  112.92 134.86 90 bottom
C5130  1uF  [C0402]  117.94 134.86 90 bottom
C5131  100nF  [C0402]  116.94 134.86 90 bottom
C5132  1uF  [C0402]  111.41 135.36 0 bottom
C5133  100nF  [C0402]  111.41 136.37 0 bottom
C5134  100nF  [C0402]  144.42 147.25 90 top
C5135  1uF  [C0402]  111.41 134.36 0 bottom
C5136  100nF  [C0402]  111.41 133.36 0 bottom
C5137  1uF  [C0402]  111.41 141.39 0 bottom
C5138  100nF  [C0402]  111.41 140.38 0 bottom
C5139  4.7uF  [C0402]  113.9 141.02 270 bottom
C5140  100nF  [C0402]  115.91 141.02 270 bottom
C5141  1uF  [C0402]  112.9 141.02 270 bottom
C5142  100nF  [C0402]  114.9 141.02 270 bottom
C5500  100nF  [C0402]  85.21 138.15 180 top
C5501  0.5pF  [C0201]  93.32 141.88 0 top
C5502  1uF  [C0402]  93.75 149.29 90 bottom
C5503  10uF  [C0603]  98.52 134.26 90 bottom
C5504  100nF  [C0402]  100.96 133.24 0 bottom
C5505  10uF  [C0603]  98.52 137.1 270 bottom
C5506  100nF  [C0402]  95.58 134.97 180 bottom
C5507  100nF  [C0402]  95.78 138.52 180 bottom
C5508  2.2uF  [C0402]  94.29 140.05 270 bottom
C5509  100nF  [C0402]  93.29 140.05 270 bottom
C5510  2.2uF  [C0402]  88.06 136.29 0 bottom
C5511  100nF  [C0402]  95.78 137.51 180 bottom
C5512  100nF  [C0402]  101.06 127.65 270 bottom
C5513  10uF  [C0603]  91.08 140.45 270 bottom
C5514  100nF  [C0402]  92.29 140.05 270 bottom
C5515  100pF  [C0402]  83.49 123.18 270 top
C5516  2.2uF  [C0402]  95.3 140.05 270 bottom
C5517  100nF  [C0402]  96.3 140.05 270 bottom
C5518  2.2uF  [C0402]  89.88 140.05 270 bottom
C5519  100nF  [C0402]  88.88 140.05 270 bottom
C5520  10uF  [C0603]  85.93 125.42 90 bottom
C5521  22uF  [C0603]  87.35 128.31 270 bottom
C5522  10uF  [C0603]  85.93 128.36 270 bottom
C5523  100nF  [C0402]  88.06 134.36 0 bottom
C5524  100nF  [C0402]  88.06 135.27 0 bottom
C5525  100nF  [C0402]  95.58 136.49 180 bottom
C5526  100nF  [C0402]  97.41 140.05 270 bottom
C5527  100nF  [C0402]  87.57 140.05 270 bottom
C5528  2.2uF  [C0402]  90.02 132.53 90 bottom
C5529  100nF  [C0402]  94.87 132.53 90 bottom
C5530  100nF  [C0402]  92.85 132.53 90 bottom
C5531  100nF  [C0402]  82.27 123.18 90 top
C5532  2.2uF  [C0402]  89.01 132.53 90 bottom
C5533  100nF  [C0402]  88.01 132.53 90 bottom
C6700  18pF  [C0402]  49.32 113.27 90 bottom
C6701  18pF  [C0402]  49.31 111.25 270 bottom
C6702  10nF  [C0402]  44.78 125.44 270 bottom
C6703  10nF  [C0402]  48.59 125.44 270 bottom
C6704  10nF  [C0402]  56.21 125.44 270 bottom
C6705  10nF  [C0402]  52.4 125.44 270 bottom
C6706  DNP  [C0402]  48.68 108.6 180 bottom
C6707  1000pF  [C1206L]  60.6 130.65 0 bottom
C6708  1000pF  [C1206L]  48.76 153.39 0 top
C6709  4.7uF  [C0603]  57.15 109.04 0 top
C6710  1uF  [C0402]  53.98 109.37 90 top
C6711  100nF  [C0402]  53.04 109.37 90 top
C6712  4.7uF  [C0603]  56.52 112.74 180 top
C6713  100nF  [C0402]  51.58 109.35 90 top
C6714  100nF  [C0402]  51.04 113.58 0 top
C6715  4.7uF  [C0603]  46.39 105.79 90 top
C6716  100nF  [C0402]  47.43 105.49 90 top
C6717  100nF  [C0402]  53.15 114.33 270 top
C6718  100nF  [C0402]  58.06 113.43 0 bottom
C6719  4.7uF  [C0603]  46.71 117.19 180 top
C6720  100nF  [C0402]  55.29 114.33 270 top
C6721  100nF  [C0402]  51.04 112.15 0 top
C6722  100nF  [C0402]  54.87 109.37 90 top
C6723  100nF  [C0402]  54.04 114.33 270 top
C6724  DNP  [C0402]  51.33 104.59 90 bottom
C6726  3pF  [C0402]  57.71 108.86 270 bottom
C6800  18pF  [C0402]  37.17 114.35 270 top
C6801  18pF  [C0402]  37.17 116.37 90 top
C6802  10nF  [C0402]  25.27 125.44 270 bottom
C6803  10nF  [C0402]  29.08 125.44 270 bottom
C6804  10nF  [C0402]  32.89 125.44 270 bottom
C6805  10nF  [C0402]  36.7 125.44 270 bottom
C6806  DNP  [C0402]  39.78 112.83 0 top
C6807  1000pF  [C1206L]  23.62 130.65 180 bottom
C6808  4.7uF  [C0603]  29.74 113.73 0 bottom
C6809  1uF  [C0402]  32.51 112.47 90 bottom
C6810  100nF  [C0402]  33.44 112.47 90 bottom
C6811  4.7uF  [C0603]  29.74 115.1 0 bottom
C6812  100nF  [C0402]  30.15 116.2 0 bottom
C6813  100nF  [C0402]  34.87 112.45 90 bottom
C6814  4.7uF  [C0603]  40.41 106.62 270 top
C6815  100nF  [C0402]  31.58 112.47 90 bottom
C6816  100nF  [C0402]  33.33 117.43 270 bottom
C6817  100nF  [C0402]  28.42 116.53 180 top
C6818  4.7uF  [C0603]  37.08 113.02 90 bottom
C6819  100nF  [C0402]  35.44 116.53 180 bottom
C6820  100nF  [C0402]  32.44 117.43 270 bottom
C6821  100nF  [C0402]  35.44 115.39 180 bottom
C6822  100nF  [C0402]  40.21 109.16 90 top
C6823  DNP  [C0402]  34.21 105.78 270 top
C6826  3pF  [C0402]  29.23 112.01 0 top
C7000  1uF  [C0402]  62.33 151.76 90 top
C7001  1uF  [C0402]  63.35 151.76 90 top
C7002  1uF  [C0402]  64.36 151.76 90 top
C7003  1uF  [C0402]  66.06 150.64 0 top
C7004  1uF  [C0402]  66.06 149.62 0 top
C7005  1uF  [C0402]  66.06 148.61 0 top
C7006  1uF  [C0402]  58.88 149.95 180 top
C7007  100nF  [C0402]  58.88 148.96 180 top
C7008  1uF  [C0402]  58.88 147.77 180 top
C7009  100nF  [C0402]  58.88 146.76 180 top
C7010  100nF  [C0402]  66.11 147.57 0 top
C7011  4.7uF  [C0603]  66.22 146.35 0 top
C7012  100nF  [C0402]  142.42 46.88 90 top
C8200  10nF  [C0201]  58.9 22.23 270 top
C8201  10nF  [C0201]  59.53 22.23 270 top
C8202  10nF  [C0201]  55.72 22.23 270 top
C8203  10nF  [C0201]  55.09 22.23 270 top
C8204  100nF  [C0402]  48.34 29.2 0 top
C8205  10nF  [C0201]  59.53 9.53 270 top
C8206  10nF  [C0201]  58.9 9.53 270 top
C8207  10nF  [C0201]  55.72 9.53 270 top
C8208  10nF  [C0201]  55.09 9.53 270 top
C8209  100nF  [C0402]  42.36 22.41 90 bottom
C8210  10nF  [C0201]  34.96 27.64 0 top
C8211  18pF  [C0402]  41.7 18.98 0 top
C8212  10nF  [C0201]  34.96 28.27 0 top
C8213  18pF  [C0402]  39.78 18.98 180 top
C8214  10nF  [C0201]  40.44 9.53 270 top
C8215  10nF  [C0201]  39.81 9.53 270 top
C8216  10nF  [C0201]  34.96 26.77 0 top
C8217  10nF  [C0201]  36.63 9.53 270 top
C8218  10nF  [C0201]  34.96 26.14 0 top
C8219  10nF  [C0201]  36 9.53 270 top
C8220  10nF  [C0201]  21.35 9.53 270 top
C8221  10nF  [C0201]  20.72 9.53 270 top
C8222  10nF  [C0201]  17.54 9.53 270 top
C8223  10nF  [C0201]  16.91 9.53 270 top
C8224  10uF  [C0603]  62.57 40.53 270 top
C8225  100pF  [C0402]  57 40.14 0 top
C8226  22uF  [C0603]  60.14 35.55 90 top
C8227  10uF  [C0603]  41.11 22.52 90 bottom
C8228  100nF  [C0402]  33.17 34.51 90 top
C8229  100nF  [C0402]  37.08 22.78 0 bottom
C8230  100nF  [C0402]  45.19 28.62 180 bottom
C8231  100nF  [C0402]  42.37 30.43 270 bottom
C8232  10uF  [C0603]  40.8 30.27 270 bottom
C8233  100nF  [C0402]  39.8 22.41 90 bottom
C8234  100nF  [C0402]  37.06 25.72 0 bottom
C8235  100nF  [C0402]  45.19 25.75 180 bottom
C8236  100nF  [C0402]  39.52 30.43 270 bottom
C8237  100nF  [C0402]  57 38.19 180 top
C8238  10nF  [C0201]  21.35 22.23 270 top
C8239  10nF  [C0201]  20.72 22.23 270 top
C8240  10nF  [C0201]  17.54 22.23 270 top
C8241  10nF  [C0201]  16.91 22.23 270 top
C8242  10uF  [C0603]  51.55 40.27 270 top
C8243  100pF  [C0402]  45.97 39.88 0 top
C8244  22uF  [C0603]  49.12 35.3 90 top
C8245  10uF  [C0603]  44.51 22.74 90 bottom
C8246  100nF  [C0402]  37.06 27.12 0 bottom
C8247  100nF  [C0402]  38.66 22.41 90 bottom
C8248  100nF  [C0402]  38.38 30.43 270 bottom
C8249  100nF  [C0402]  37.18 24.2 0 bottom
C8250  10uF  [C0603]  37.3 28.5 0 bottom
C8251  100nF  [C0402]  45.18 24.73 180 bottom
C8252  100nF  [C0402]  43.43 22.41 90 bottom
C8253  100nF  [C0402]  45.19 27.14 180 bottom
C8254  100nF  [C0402]  43.51 30.43 270 bottom
C8255  100nF  [C0402]  45.97 37.93 180 top
C8300  10nF  [C0201]  116.94 22.23 270 top
C8301  10nF  [C0201]  116.31 22.23 270 top
C8302  10nF  [C0201]  113.13 22.23 270 top
C8303  10nF  [C0201]  112.5 22.23 270 top
C8304  100nF  [C0402]  105.75 29.2 0 top
C8305  10nF  [C0201]  116.94 9.53 270 top
C8306  10nF  [C0201]  116.31 9.53 270 top
C8307  10nF  [C0201]  113.13 9.53 270 top
C8308  100nF  [C0402]  94.49 22.78 0 bottom
C8309  10nF  [C0201]  112.5 9.53 270 top
C8310  10nF  [C0201]  92.37 28.27 0 top
C8311  18pF  [C0402]  99.1 18.98 0 top
C8312  10nF  [C0201]  92.37 27.64 0 top
C8313  18pF  [C0402]  97.18 18.98 180 top
C8314  10nF  [C0201]  97.85 9.53 270 top
C8315  10nF  [C0201]  97.22 9.53 270 top
C8316  10nF  [C0201]  92.37 26.77 0 top
C8317  10nF  [C0201]  94.04 9.53 270 top
C8318  10nF  [C0201]  92.37 26.14 0 top
C8319  10nF  [C0201]  93.41 9.53 270 top
C8320  10nF  [C0201]  78.76 9.53 270 top
C8321  10nF  [C0201]  78.13 9.53 270 top
C8322  10nF  [C0201]  74.95 9.53 270 top
C8323  10nF  [C0201]  74.32 9.53 270 top
C8324  22uF  [C0603]  87.93 33.14 90 top
C8325  10uF  [C0603]  98.51 22.52 90 bottom
C8326  100nF  [C0402]  90.58 34.51 90 top
C8327  100nF  [C0402]  94.46 25.72 0 bottom
C8328  100nF  [C0402]  97.2 22.41 90 bottom
C8329  100nF  [C0402]  96.93 30.43 270 bottom
C8330  10uF  [C0603]  98.21 30.27 270 bottom
C8331  100nF  [C0402]  99.77 22.41 90 bottom
C8332  100nF  [C0402]  102.6 25.75 180 bottom
C8333  100nF  [C0402]  102.6 28.62 180 bottom
C8334  100nF  [C0402]  99.77 30.43 270 bottom
C8335  10nF  [C0201]  78.76 22.23 270 top
C8336  10nF  [C0201]  78.13 22.23 270 top
C8337  10nF  [C0201]  74.95 22.23 270 top
C8338  10nF  [C0201]  74.32 22.23 270 top
C8339  22uF  [C0603]  81.76 31.44 180 top
C8340  10uF  [C0603]  94.7 28.5 0 bottom
C8341  100nF  [C0402]  94.46 27.12 0 bottom
C8342  100nF  [C0402]  94.59 24.2 0 bottom
C8343  100nF  [C0402]  96.06 22.41 90 bottom
C8344  100nF  [C0402]  95.78 30.43 270 bottom
C8345  10uF  [C0603]  101.92 22.74 90 bottom
C8346  100nF  [C0402]  102.69 24.63 180 bottom
C8347  100nF  [C0402]  100.83 22.41 90 bottom
C8348  100nF  [C0402]  102.6 27.14 180 bottom
C8349  100nF  [C0402]  100.91 30.43 270 bottom
C8400  100nF  [C0402]  13.38 113.28 0 top
C8401  220nF  [C0201]  6.18 108.3 180 bottom
C8402  220nF  [C0201]  6.18 107.66 180 bottom
C8403  220nF  [C0201]  6.18 103.3 180 bottom
C8404  220nF  [C0201]  6.18 102.66 180 bottom
C8405  220nF  [C0201]  13.07 88.98 180 top
C8406  220nF  [C0201]  13.07 88.34 180 top
C8407  220nF  [C0201]  4.94 84.81 180 top
C8408  220nF  [C0201]  4.94 84.18 180 top
C8409  10uF  [C1206]  5.16 121.12 270 bottom
C8410  100nF  [C0402]  8.33 123.82 0 bottom
C8411  22uF  [C0603]  6.47 117.34 90 bottom
C8412  100nF  [C0402]  19.84 117.21 0 top
C8413  22uF  [C0603]  8.81 114.14 270 bottom
C8414  100nF  [C0402]  5.25 117.59 90 bottom
C8415  10uF  [C0603]  19.81 115.79 0 top
C8416  100nF  [C0402]  10.03 114.04 270 bottom
C8417  1uF  [C0402]  19.8 105.5 0 top
C8418  100nF  [C0402]  17.16 103.95 270 top
C8419  18pF  [C0402]  20.72 102.63 270 bottom
C8420  18pF  [C0402]  24.09 100.38 0 bottom
C8421  1uF  [C0402]  18.36 101.67 90 top
C8422  4.7uF  [C0402]  17.78 105.5 180 top
C8423  1uF  [C0402]  16.57 101.28 0 top
C8424  100nF  [C0402]  16.57 102.4 0 top
C8425  4.7uF  [C0402]  18.36 103.95 270 top
C8426  100nF  [C0402]  22.63 101.72 90 top
C8427  DNP  [C0402]  22.63 103.73 270 top
C8428  100nF  [C0402]  19.07 120.24 90 bottom
C8429  10uF  [C1206]  8.41 126.64 270 bottom
C8430  100nF  [C0402]  5.17 128.69 180 bottom
C8431  10uF  [C1206]  7.39 121.11 270 bottom
C8432  10uF  [C1206]  20.95 125.44 0 top
C8433  100nF  [C0603]  21.32 123.58 0 top
C8434  22pF  [C0402]  22.44 115.29 180 top
C8435  120uF  [E_C6]  17.85 111.6 180 top
C8436  10uF  [C0603]  6.47 114.27 270 bottom
C8437  100nF  [C0402]  5.13 114.04 270 bottom
C9000  1nF  [C0402]  128.5 11.27 180 top
C9001  100nF  [C0402]  131.66 9.01 180 top
C9002  10uF  [C0603]  132 10.46 180 top
C9100  1uF  [C0402]  26.39 78.41 0 bottom
C9101  100nF  [C0402]  26.39 77.39 0 bottom
C9102  10uF  [C0603]  11.96 65.47 270 bottom
C9103  100nF  [C0402]  10.81 65.98 270 bottom
C9104  100nF  [C0402]  13.44 72.43 90 bottom
C9105  100nF  [C0402]  164.32 123.6 270 top
C9106  100nF  [C0402]  164.4 111.92 270 top
C9500  100nF  [C0402]  150.77 23.64 90 top
C9501  4.7nF  [C0402]  161.26 14.79 0 top
C9502  100nF  [C0603]  161.08 13.52 180 top
C9503  100nF  [C0402]  146.5 32.8 0 top
C9504  100nF  [C0402]  146.5 31.75 0 top
C9505  100nF  [C0402]  158.74 33.07 0 top
C9506  100nF  [C0402]  146.51 30.54 180 top
C9507  100nF  [C0402]  146.5 29.57 0 top
C9900  100nF  [C0603]  159.79 44.95 180 top
C9901  10uF  [C1206]  159.54 43.07 180 top
D1500  ESD5451N  [ESD0402]  164.67 94.02 180 top
D2000  SS32  [DO_214AC]  12.45 142.17 0 top
D2200  BAT54C  [SOT_23]  130.48 19.47 180 top
D2504  ESD5341N  [ESD0402]  103.88 159.35 270 top
D2505  ESD5341N  [ESD0402]  102.35 159.35 270 top
D2506  ESD5311X  [ESD0402]  69.4 153.77 270 top
D2507  ESD5311X  [ESD0402]  69.37 156.71 90 top
D2508  ESD5311X  [ESD0402]  69.37 150.71 90 top
D2509  ESD5311X  [ESD0402]  69.4 147.77 270 top
D2510  ESD5341N  [ESD0402]  79.63 154.27 90 bottom
D2511  ESD5341N  [ESD0402]  79.63 151.33 270 bottom
D2512  ESD5341N  [ESD0402]  148.61 70.92 270 top
D2513  ESD5341N  [ESD0402]  148.57 73.87 90 top
D2514  ESD5341N  [ESD0402]  160.32 71 270 top
D2515  ESD5341N  [ESD0402]  160.28 73.94 90 top
D2516  ESD5341N  [ESD0402]  97.66 154.98 90 top
D2517  ESD5341N  [ESD0402]  99.39 154.98 90 top
D2518  ESD5341N  [ESD0402]  103.1 160.06 180 bottom
D2519  ESD5341N  [ESD0402]  96.75 166.26 90 top
D5000  B5819WS  [SOD_323]  163.1 154.78 0 bottom
